# Altium PCB UltraZohm_ADC.PcbDoc (part 4 of 4)
Units mil, origin at the board's own origin, x right, y up, seen from the top; angles counter-clockwise.
Board outline 6141.69 x 3937.01 mil, 4 copper layers (Top Layer, GND, VCC, Bottom Layer), stack 30.634 mil thick; 408 components, 185 nets, 1136 pads, 511 vias.
Unrouted connection lines stored in the file: 7.
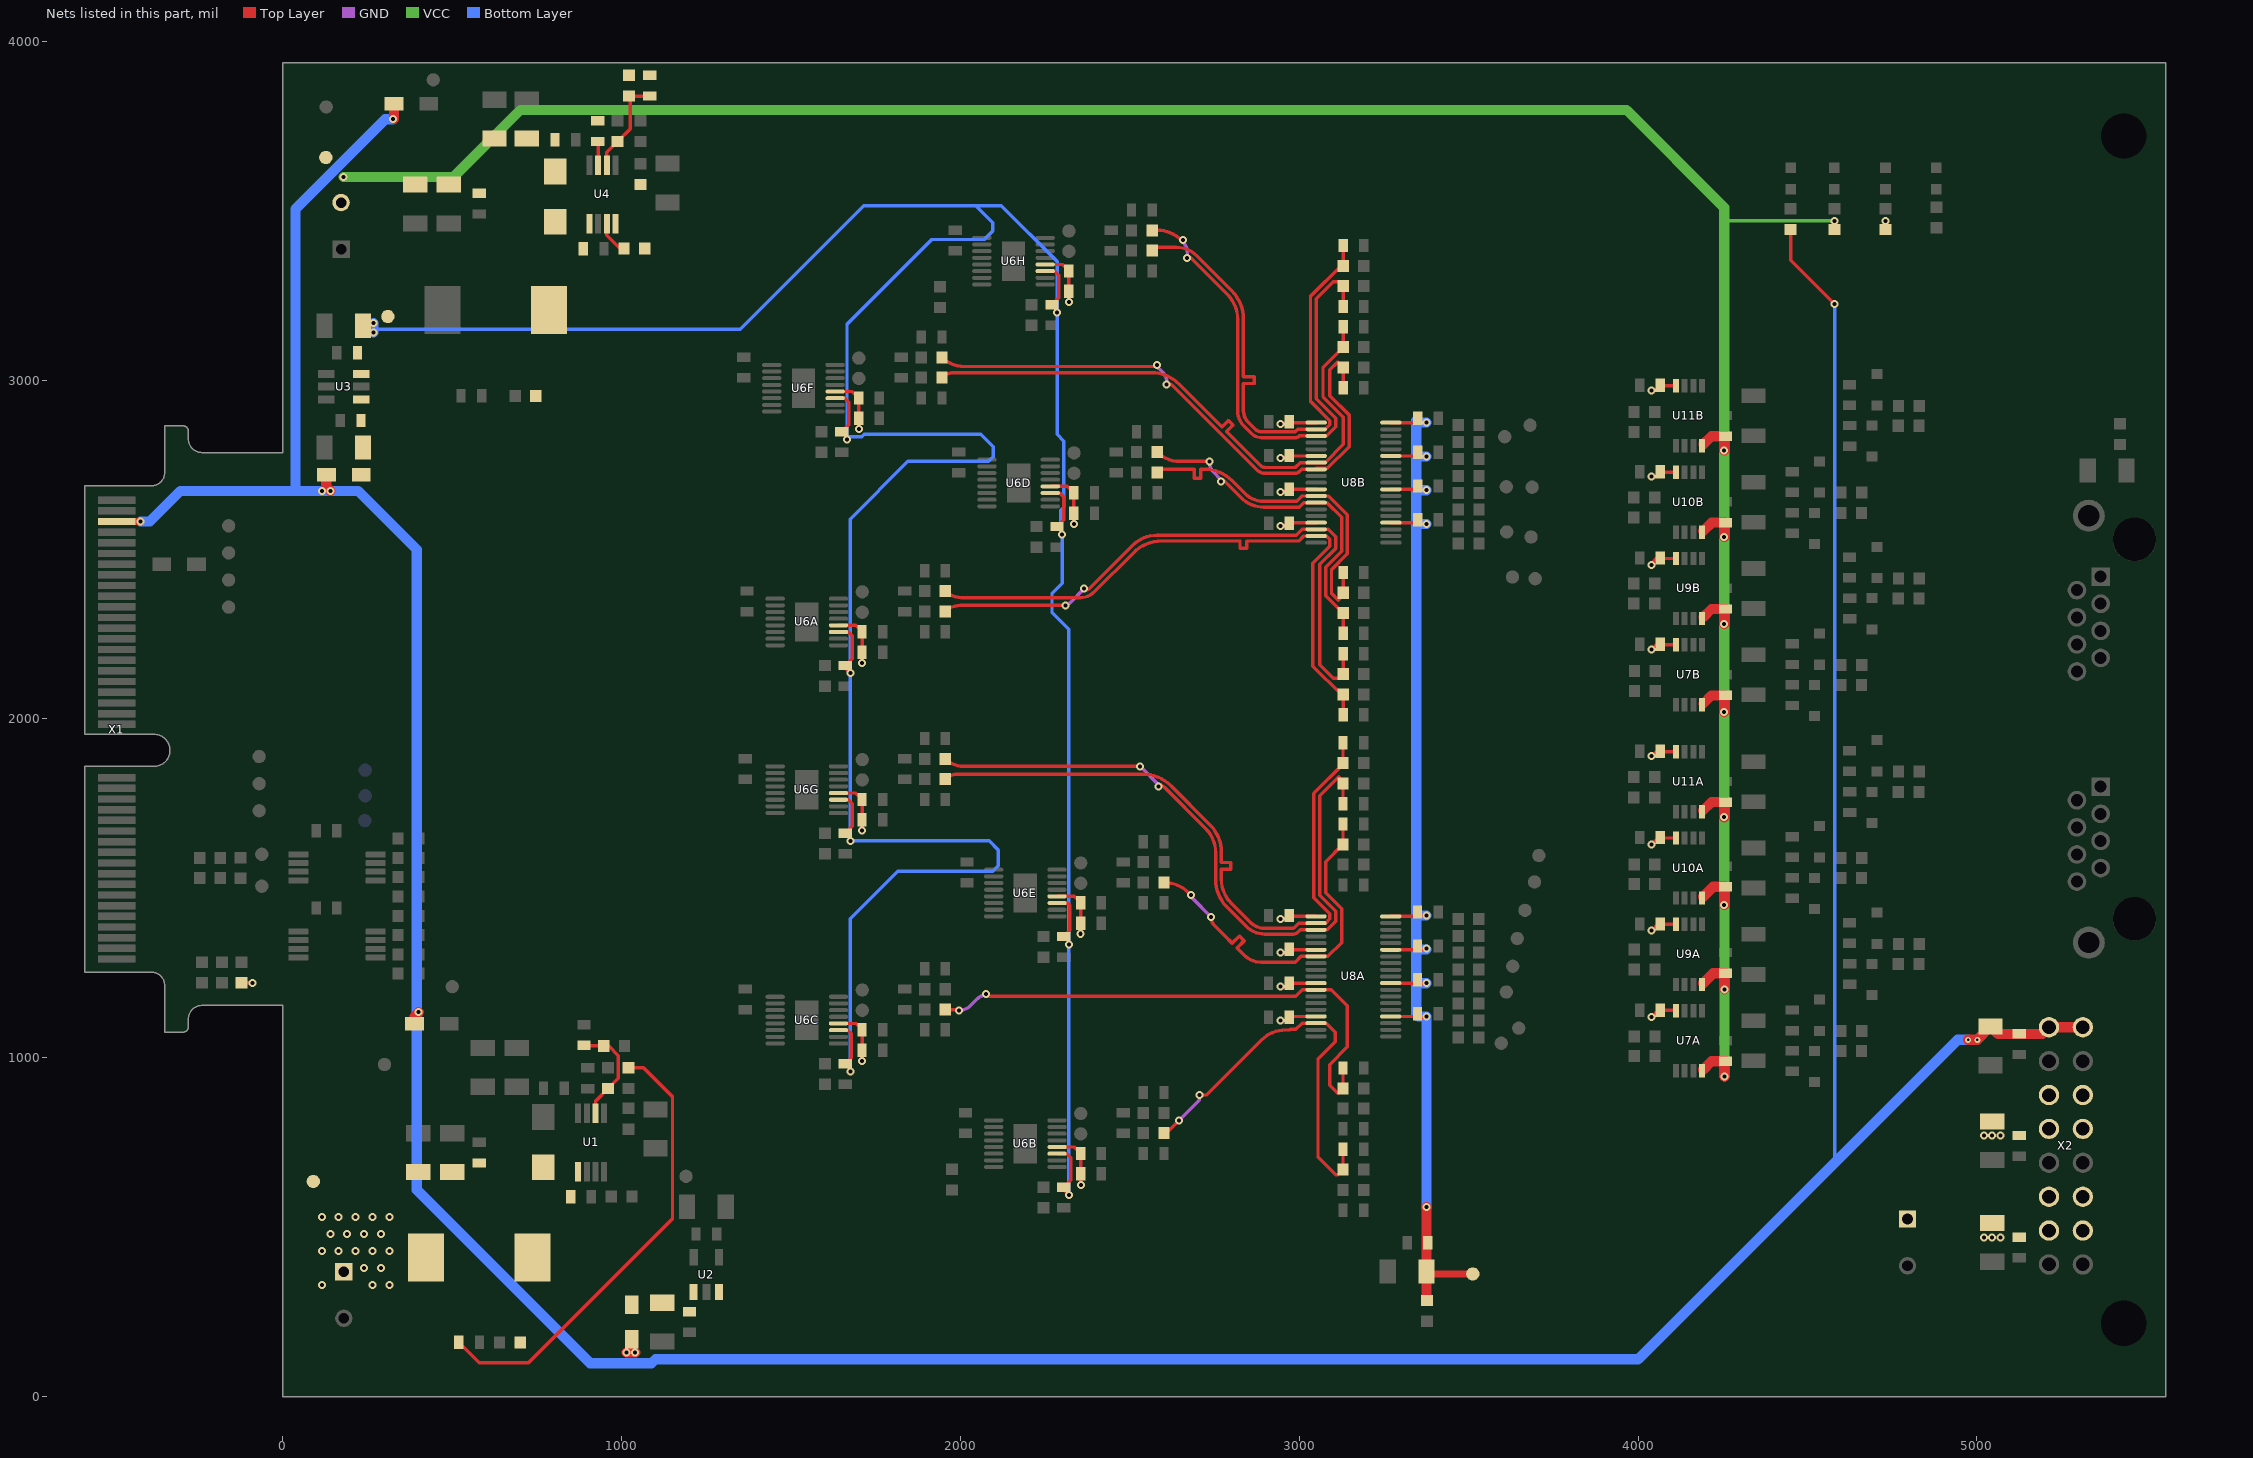
[diagram p6: the nets of this part, all layers, seen from the top]

## Via types
v1: diameter 23.62, hole 11.81, Top Layer to Bottom Layer, tented both sides, 333 vias
v2: diameter 17.72, hole 7.87, Top Layer to Bottom Layer, tented both sides, 127 vias
v3: diameter 19.68, hole 7.87, Top Layer to Bottom Layer, tented bottom, 48 vias
v4: diameter 23.62, hole 11.81, Top Layer to Bottom Layer, 3 vias

## Nets (pads, with @x,y where several pads share a name; then routed paths per layer and width w, separated by ;. In a path a pad name is that pad's centre, name@x,y a point inside that pad or via, vN(x,y) a via of type N, cw(c..) or ccw(c..) an arc to the next point about the centre after c; other vN are vias at no path point) (continued)
OUT_N4: C42A.2 R13G.1 R45A.2 U8A.22 | length 2025.7
  Top Layer w10: R13G.1@1955.51,1882.2 ccw(c2009.12,1935.81) 2009.12,1860 v1(2530,1860) ; v1(2585,1800) 2585,1805 cw(c2585,1780.86) 2602.07,1797.93 2723.71,1676.29 cw(c2653,1605.58) 2753,1605.58 2753,1526.42 ccw(c2870,1526.42) 2787.27,1443.69 2842.98,1387.98 ccw(c2898.41,1443.41) 2898.41,1365.02 2982.98,1365.02 ccw(c2982.98,1382.02) 2995,1370 3002.8,1377.8 U8A.22@3049.25,1377.8 3081.84,1377.8 3107,1402.96 3107,1432.04 3060,1479.04 3060,1772.96 3116.02,1828.98 3128.98,1816.02 R45A.2@3128.98,1810 C42A.2@3128.98,1750
  GND w10: v1(2530,1860) 2585,1805 v1(2585,1800)
OUT_N5: C34B.2 R13A.1 R17B.2 U8B.37 | length 1830.3
  Top Layer w10: R13A.1@1955.51,2377.2 ccw(c2001.88,2423.57) 2001.88,2358 2353.96,2358 ccw(c2353.96,2416.04) 2395,2375 2510.73,2490.73 cw(c2593.46,2408) 2593.46,2525 2800,2525 2824,2525 cw(c2824,2524) 2825,2524 2825,2505.18 ccw(c2826,2505.18) 2826,2504.18 2844,2504.18 ccw(c2844,2505.18) 2845,2505.18 2845,2524 cw(c2846,2524) 2846,2525 2855,2525 2998.35,2525 3013.27,2539.92 U8B.37@3049.76,2539.92 3080.08,2539.92 3090,2530 3090,2510 3040,2460 3040,2155.96 3123.56,2072.4 R17B.2@3129.49,2072.4 C34B.2@3129.49,2012.4
OUT_N6: C36B.2 R13D.1 R25B.2 U8B.32 | length 1020.6
  Top Layer w10: R13D.1@2580.51,2787.4 ccw(c2646.66,2853.55) 2646.66,2760 v1(2735,2760) ; v1@2770,2705 2775,2705 cw(c2775,2702.69) 2776.64,2704.32 2827.98,2652.98 ccw(c2895.53,2720.53) 2895.53,2625 2999.92,2625 3013.27,2638.35 U8B.32@3049.76,2638.35 3081.65,2638.35 3125,2595 3125,2495 3078,2448 3078,2363.89 R25B.2@3129.49,2312.4 C36B.2@3129.49,2252.4
  GND w10: v1(2735,2760) 2735,2755 ccw(c2771.21,2755) 2745.61,2729.39 v1@2770,2705
  other v1: 2769,2701
OUT_N7: C40B.2 R13F.1 R37B.2 U8B.27 | length 1752.8
  Top Layer w10: R13F.1@1945.51,3067.2 ccw(c2011.19,3132.88) 2011.19,3040 2575,3040 v1(2580,3045) ; v1@2610,2990 cw(c2610,2967.35) 2626.02,2983.36 2873.69,2735.7 ccw(c2899.46,2761.47) 2899.46,2725.02 2987.98,2725.02 ccw(c2987.98,2742.02) 3000,2730 3006.77,2736.77 U8B.27@3049.76,2736.77 3049.76,2739.46 3083.08,2739.46 3147,2803.37 3147,2897.04 3090,2954.04 3090,3030 3113.44,3053.44 R37B.2@3129.49,3037.4 C40B.2@3129.49,2977.4
  GND w10: v1(2580,3045) 2580,3040 2595.86,3024.14 cw(c2561.72,2990) v1@2610,2990
  other v1: 2608,2987
OUT_N8: C42B.2 R13H.1 R45B.2 U8B.22 | length 1584.2
  Top Layer w10: R13H.1@2565.51,3442.2 2581.37,3442.2 cw(c2581.37,3342.2) 2652.08,3412.92 v1@2655,3410 ; v1(2669,3361) 2679,3361 2788.71,3251.29 cw(c2718,3180.58) 2818,3180.58 2818,2910 ccw(c2883.28,2910) 2837.11,2863.84 2857.98,2842.98 ccw(c2889.26,2874.26) 2889.26,2830.02 2987.98,2830.02 ccw(c2987.98,2847.02) 3000,2835 3000.2,2835.2 U8B.22@3049.76,2835.2 3080.4,2835.2 3107,2861.8 3107,2887.34 3050,2944.34 3050,3240 3100,3290 3116.89,3290 R45B.2@3129.49,3277.4 C42B.2@3129.49,3217.4 ; v1@2670,3365 cw(c2670,3352.93) v1@2678.54,3361.46
  GND w10: v1@2655,3410 cw(c2618.79,3373.79) 2670,3373.79 v1@2670,3365
  other v1: 2656,3413
OUT_P1: C38A.2 R12B.1 R29A.2 U8A.36 | length 1206.1
  Top Layer w10: R12B.1@2600.51,777.56 ccw(c2600.51,794.57) 2612.54,782.54 v1(2645,815) ; v1(2705,890) 2725.96,890 2888.67,1052.71 cw(c2959.38,982) 2959.38,1082 2972.11,1082 2973.92,1083.81 2990.01,1083.81 3008.4,1102.2 U8A.36@3049.25,1102.2 3079.89,1102.2 3106.25,1075.84 3106.25,1047.21 3055,995.96 3055,708.02 3108.02,655 3113.98,655 R29A.2@3128.98,670 C38A.2@3128.98,730
  GND w10: v1(2645,815) 2705,875 v1(2705,890)
OUT_P2: C39A.2 R12C.1 R34A.2 U8A.31 | length 1600.1
  Top Layer w10: R12C.1@1955.51,1142.2 1989.68,1142.2 cw(c1989.68,1134.68) v1(1995,1140) ; v1@2075,1182.06 2989.83,1182.06 3008.4,1200.63 U8A.31@3049.25,1200.63 3094.37,1200.63 3142,1153 3142,1032 3090,980 3090,919.04 3114.01,895.03 R34A.2@3128.98,910 C39A.2@3128.98,970
  GND w10: v1(1995,1140) ccw(c1995,1190.7) 2030.85,1154.85 2051.1,1175.1 cw(c2075,1151.21) v1@2075,1185
  other v1: 2075,1188
OUT_P3: C44A.2 R12E.1 R49A.2 U8A.26 | length 1097.8
  Top Layer w10: R12E.1@2600.51,1517.2 2601.37,1517.2 cw(c2601.37,1417.2) 2672.08,1487.92 v1(2680,1480) ; v1(2740,1415) 2740,1413.14 ccw(c2771.72,1413.14) 2749.29,1390.71 2780,1360 2801.26,1338.74 ccw(c2801.97,1339.45) 2802.67,1338.74 2822.64,1358.71 cw(c2823.35,1358) 2824.06,1358.71 2836.79,1345.98 cw(c2836.08,1345.27) 2836.79,1344.57 2816.82,1324.6 ccw(c2817.52,1323.89) 2816.82,1323.18 2830.25,1309.75 2837.32,1302.68 ccw(c2887.19,1352.55) 2887.19,1282.02 2987.98,1282.02 3005.01,1299.06 U8A.26@3049.25,1299.06 3084.06,1299.06 3125,1340 3125,1440 3078,1487 3078,1579.02 R49A.2@3128.98,1630 C44A.2@3128.98,1690
  GND w10: v1(2680,1480) ccw(c2692.07,1480) 2683.54,1471.46 v1(2740,1415)
OUT_P4: C45A.2 R12G.1 R54A.2 U8A.21 | length 2048.6
  Top Layer w10: R12G.1@1955.51,1822.2 cw(c1991.23,1786.49) 1991.23,1837 2538.58,1837 cw(c2538.58,1720) 2621.31,1802.73 2735.73,1688.31 cw(c2653,1605.58) 2770,1605.58 2770,1585 2770,1577.42 ccw(c2771,1577.42) 2771,1576.42 2796.35,1576.42 cw(c2796.35,1575.42) 2797.35,1575.42 2797.35,1557.42 cw(c2796.35,1557.42) 2796.35,1556.42 2771,1556.42 ccw(c2771,1555.42) 2770,1555.42 2770,1536.42 2770,1526.42 ccw(c2870,1526.42) 2799.29,1455.71 2855,1400 ccw(c2898.41,1443.41) 2898.41,1382.02 2982.98,1382.02 2998.44,1397.48 U8A.21@3049.25,1397.48 3077.48,1397.48 3090,1410 3090,1425 3043,1472 3043,1780 3128.98,1865.98 R54A.2@3128.98,1870 C45A.2@3128.98,1930
OUT_P5: C38B.2 R12A.1 R29B.2 U8B.36 | length 1807.5
  Top Layer w10: R12A.1@1955.51,2317.2 cw(c1998.47,2274.24) 1998.47,2335 v1(2310,2335) ; v1(2365,2385) 2365,2381.03 2366.03,2380 ccw(c2366.03,2403.97) 2382.98,2387.02 2508.67,2512.71 cw(c2579.38,2442) 2579.38,2542 2991.3,2542 3008.91,2559.61 U8B.36@3049.76,2559.61 3085.39,2559.61 3107,2538 3107,2502.96 3060,2455.96 3060,2160 3100,2120 3117.09,2120 R29B.2@3129.49,2132.4 C38B.2@3129.49,2192.4
  GND w10: v1(2310,2335) 2315,2340 ccw(c2315,2352.07) 2323.54,2343.54 v1(2365,2385)
OUT_P6: C39B.2 R12D.1 R34B.2 U8B.31 | length 1043.4
  Top Layer w10: R12D.1@2580.51,2727.4 cw(c2603.68,2704.23) 2603.68,2737 2635,2737 2688.54,2737 cw(c2688.54,2736) 2689.54,2736 2689.54,2711.5 ccw(c2690.54,2711.5) 2690.54,2710.5 2708.54,2710.5 ccw(c2708.54,2711.5) 2709.54,2711.5 2709.54,2736 cw(c2710.54,2736) 2710.54,2737 2719.54,2737 cw(c2719.54,2620) 2802.27,2702.73 2840,2665 ccw(c2895.53,2720.53) 2895.53,2642 2992.88,2642 3008.91,2658.03 U8B.31@3049.76,2658.03 3086.01,2658.03 3142,2602.04 3142,2487.96 3095,2440.96 3095,2370.93 3115.47,2350.47 3129.49,2364.49 R34B.2@3129.49,2372.4 C39B.2@3129.49,2432.4
OUT_P7: C44B.2 R12F.1 R49B.2 U8B.26 | length 1775.6
  Top Layer w10: R12F.1@1945.51,3007.2 cw(c1981.23,2971.49) 1981.23,3022 2562.96,3022 cw(c2562.96,2905) 2645.69,2987.73 2696.71,2936.71 2770.65,2862.78 ccw(c2771.36,2863.48) 2772.06,2862.78 2789.73,2880.44 cw(c2790.43,2879.73) 2791.14,2880.44 2803.87,2867.71 cw(c2803.16,2867) 2803.87,2866.29 2786.21,2848.63 ccw(c2786.91,2847.93) 2786.21,2847.22 2799.64,2833.78 2806.71,2826.71 2885.71,2747.72 ccw(c2899.46,2761.47) 2899.46,2742.02 2987.98,2742.02 3002.42,2756.46 U8B.26@3049.76,2756.46 3076.04,2756.46 3130,2810.41 3130,2890 3070,2950 3070,3037.91 R49B.2@3129.49,3097.4 C44B.2@3129.49,3157.4
OUT_P8: C45B.2 R12H.1 R54B.2 U8B.21 | length 1607
  Top Layer w10: R12H.1@2565.51,3382.2 cw(c2589.16,3358.56) 2589.16,3392 2636.72,3392 cw(c2636.72,3306.72) 2697.02,3367.02 2800.73,3263.31 cw(c2718,3180.58) 2835,3180.58 2835,3075 2835,3011 ccw(c2836,3011) 2836,3010 2866.24,3010 cw(c2866.24,3009) 2867.24,3009 2867.24,2991 cw(c2866.24,2991) 2866.24,2990 2836,2990 ccw(c2836,2989) 2835,2989 2835,2970 2835,2960 2835,2910 ccw(c2883.28,2910) 2849.14,2875.86 2870,2855 ccw(c2889.26,2874.26) 2889.26,2847.02 2987.98,2847.02 2995.84,2854.88 U8B.21@3049.76,2854.88 3076.04,2854.88 3089.76,2868.6 3089.76,2869.76 3090,2870 3090,2880.29 3033,2937.29 3033,3247.04 3123.36,3337.4 R54B.2@3129.49,3337.4 C45B.2@3129.49,3397.4
RCL_N: R47.2 U4.3 | length 100.8
  Top Layer w10: U4.3@956,3461.17 956,3427.49 995.7,3387.78 R47.2@1006.69,3387.78
Ron_N: C73.1 R38.1 R44.2 U4.6 | length 294.6
  Top Layer w10: U4.6@956,3634.4 956,3672.07 R38.1@988.2,3704.27 1025,3741.07 1025,3835.47 R44.2@1022.2,3838.27 C73.1@1083.2,3838.27
Ron_P: C24.1 R7.2 R36.2 U1.6 | length 311
  Top Layer w10: C24.1@889,1036.49 890.49,1035 R36.2@947.49,1035 961.26,1035 990,1006.26 990,939.49 R7.2@960,909.49 922.8,872.28 U1.6@922.8,836.61
SW_N: C58.1 D5.1 L6.1 R39.2 U4.1
SW_P: C1.2 D1.1 L2.1 R8.1 U1.1
VCC: C2.1 C7.2 C8.2 C9.2 C19.1 C20.1 C21.2 C22.2 C27A.1 C27B.1 C27C.1 C27D.1 C27E.1 C27F.1 C27G.1 C27H.1 C28A.1 C28B.1 C28C.1 C28D.1 C28E.1 C28F.1 C28G.1 C28H.1 C35.2 C37.2 C50A.1 C50B.1 C51A.1 C51B.1 C52A.1 C52B.1 C53A.1 C53B.1 C54A.1 C54B.1 C55A.1 C55B.1 C56A.1 C56B.1 C57A.1 C57B.1 L2.2 L3.1 R4.1 R9.2 R56.2 TP15.1 U6A.4 U6B.4 U6C.4 U6D.4 U6E.4 U6F.4 U6G.4 U6H.4 U7A.8 U7B.8 U8A.20 U8A.25 U8A.30 U8A.35 U8B.20 U8B.25 U8B.30 U8B.35 U9A.8 U9B.8 U10A.8 U10B.8 U11A.8 U11B.8 X2.3 X2.4 X2.6 X2.7 X2.11 X2.12 X2.14 X2.15 | length 4357.4
  Top Layer w10: R4.1@-121.49,1221.06 -91.06,1221.06 v1(-90,1220) ; C2.1@519.49,160 579.49,100 725,100 1150,525 1150,885 1064.49,970.51 R9.2@1020,970.51 ; U6F.4@1630,2966.26 1680.43,2966.26 C27F.1@1699.49,2947.2 C28F.1@1699.49,2887.2 1699.49,2855.51 v1(1700,2855) ; U6C.4@1640,1101.26 1690.43,1101.26 C27C.1@1709.49,1082.2 C28C.1@1709.49,1022.2 1709.49,990.51 v1(1710,990) ; U6G.4@1640,1781.26 1690.43,1781.26 C27G.1@1709.49,1762.2 C28G.1@1709.49,1702.2 1709.49,1670.51 v1(1710,1670) ; U6A.4@1640,2276.26 1690.43,2276.26 C27A.1@1709.49,2257.2 C28A.1@1709.49,2197.2 1709.49,2165.51 v1(1710,2165) ; U6H.4@2250,3341.26 2300.43,3341.26 C27H.1@2319.49,3322.2 C28H.1@2319.49,3262.2 2319.49,3230.51 v1(2320,3230) ; U6D.4@2265,2686.46 2315.43,2686.46 C27D.1@2334.49,2667.4 C28D.1@2334.49,2607.4 2334.49,2575.51 v1(2335,2575) ; U6B.4@2285,736.61 2335.43,736.61 C27B.1@2354.49,717.56 C28B.1@2354.49,657.56 2354.49,625.51 v1(2355,625) ; U6E.4@2285,1476.26 2335.43,1476.26 C27E.1@2354.49,1457.2 C28E.1@2354.49,1397.2 2354.49,1366.49 v1(2354,1366) ; v1@2940,2670 v1(2945,2670) 2956.89,2670 2960,2666.89 C52B.1@2970.51,2677.4 2970.83,2677.72 U8B.30@3049.76,2677.72 ; v1(2945,1110) 2960,1110 C53A.1@2970,1120 2971.89,1121.89 U8A.35@3049.25,1121.89 ; v1(2945,1210) 2960,1210 C52A.1@2970,1220 2970.31,1220.31 U8A.30@3049.25,1220.31 ; v1(2945,1310) 2960,1310 C51A.1@2970,1320 2971.26,1318.74 U8A.25@3049.25,1318.74 ; v1(2945,1410) 2960,1410 C50A.1@2970,1420 2972.83,1417.17 U8A.20@3049.25,1417.17 ; v1(2945,2570) 2963.11,2570 C53B.1@2970.51,2577.4 2972.4,2579.29 U8B.35@3049.76,2579.29 ; v1(2945,2770) 2963.11,2770 C51B.1@2970.51,2777.4 2971.77,2776.14 U8B.25@3049.76,2776.14 ; v1(2945,2870) 2963.11,2870 C50B.1@2970.51,2877.4 2973.35,2874.57 U8B.20@3049.76,2874.57 ; v1(4040,1120) 4060,1140 C54A.1@4065.51,1140 4110.2,1140 U7A.8@4111.61,1138.58 ; v1(4040,1375) 4060,1395 C55A.1@4065.51,1395 4066.93,1393.58 U9A.8@4111.61,1393.58 ; v1(4040,1630) 4060,1650 C56A.1@4065.51,1650 4066.93,1648.58 U10A.8@4111.61,1648.58 ; v1(4040,1890) 4055,1905 C57A.1@4065.51,1905 4066.93,1903.58 U11A.8@4111.61,1903.58 ; v1(4040,2205) 4055,2220 C54B.1@4065.51,2220 4066.93,2218.58 U7B.8@4111.61,2218.58 ; v1(4040,2455) 4040,2460 4055,2475 C55B.1@4065.51,2475 4066.93,2473.58 U9B.8@4111.61,2473.58 ; v1(4040,2715) 4050.51,2715 C56B.1@4065.51,2730 4067.44,2728.07 U10B.8@4111.61,2728.07 ; v1(4040,2970) 4050.51,2970 C57B.1@4065.51,2985 4066.93,2983.58 U11B.8@4111.61,2983.58 ; R56.2@4730,3444.49 v1(4730,3470) ; v1@5065,470 v1(5070,470)
  Top Layer w30: v1(1015,130) v1@1030,130 ; L3.1@1030,168.82 v1@1030,130 ; v1(1040,130) v1@1030,130
  other v1: 115,330 265,330 315,330 240,380 290,380 115,430 165,430 215,430 265,430 315,430 5020,470 5045,470 140,480 190,480 240,480 290,480 115,530 165,530 215,530 265,530 315,530 5020,770 5045,770 5070,770
VCC-: C60A.2 C60B.2 C61A.2 C61B.2 C62A.2 C62B.2 C63A.2 C63B.2 C65.1 C66.1 C67.2 C68.1 C69.1 C70.1 C71.2 C73.2 C74.2 D5.2 R44.1 R46.2 R47.1 R73.1 TP23.1 U4.4 U7A.4 U7B.4 U9A.4 U9B.4 U10A.4 U10B.4 U11A.4 U11B.4 | length 8186
  Top Layer w10: R73.1@4579,3444.49 v1(4579,3470)
  Top Layer w30: U11A.4@4191.6,1729.64 4216.46,1754.49 C63A.2@4258,1754.49 4254,1750.49 v1(4254,1710) ; U7A.4@4191.79,964.82 4216.46,989.49 C60A.2@4258,989.49 4255,986.49 v1(4255,945) ; U9A.4@4191.98,1220.02 4221.46,1249.49 C61A.2@4258,1249.49 4255,1246.49 v1(4255,1201) ; U10A.4@4191.98,1475.02 4221.46,1504.49 C62A.2@4258,1504.49 4254,1500.49 v1(4254,1451) ; U10B.4@4192.24,2554.76 4216.97,2579.49 C62B.2@4258,2579.49 4254,2575.49 v1(4254,2537) ; U9B.4@4192.48,2300.52 4216.46,2324.49 C61B.2@4258,2324.49 4254,2320.49 v1(4254,2280) ; U11B.4@4192.48,2810.52 4216.46,2834.49 C63B.2@4258,2834.49 4254,2830.49 v1(4254,2792) ; U7B.4@4192.73,2045.76 4216.46,2069.49 C60B.2@4258,2069.49 4254,2065.49 v1(4254,2021)
  VCC w10: 4254,3471 4255,3470 v1(4579,3470)
  VCC w30: v1(179,3599) 503,3599 701.11,3797.11 3965.89,3797.11 4254,3509 4254,3471 v1(4254,2792) v1(4254,2537) v1(4254,2280) 4254,2236 4255,2235 4254,2234 v1(4254,2021) v1(4254,1710) v1(4254,1451) 4255,1451 v1(4255,1201) v1(4255,945)
VCC_2.5V: C11.2 C12.1 L3.2 U2.1 U2.3
VCC_N: C74.1 U4.7 | length 70.4
  Top Layer w10: C74.1@929.2,3704.32 930.4,3703.11 U4.7@930.4,3634.4
VCOM: C25.1 C26.2 C46A.1 C46B.1 C47A.1 C47B.1 C48A.1 C48B.1 C49A.1 C49B.1 R33.1 TP19.1 U8A.4 U8A.9 U8A.14 U8A.19 U8B.4 U8B.9 U8B.14 U8B.19 | length 3898.1
  Top Layer w10: U8A.4@3269.72,1121.89 3340.87,1121.89 C49A.1@3348.98,1130 3350,1130 3357.5,1122.5 3355,1120 v1@3375,1120 ; U8A.9@3269.72,1220.31 3339.29,1220.31 C48A.1@3348.98,1230 3358.98,1220 v1(3375,1220) ; U8A.14@3269.72,1318.74 3337.72,1318.74 C47A.1@3348.98,1330 3358.98,1320 v1@3375,1320 ; U8A.19@3269.72,1417.17 3336.14,1417.17 C46A.1@3348.98,1430 3358.98,1420 v1(3375,1420) ; U8B.4@3270.24,2579.29 3341.38,2579.29 C49B.1@3349.49,2587.4 3361.89,2575 v1(3375,2575) ; U8B.9@3270.24,2677.72 3339.8,2677.72 C48B.1@3349.49,2687.4 3361.89,2675 v1(3375,2675) ; U8B.14@3270.24,2776.14 3338.23,2776.14 C47B.1@3349.49,2787.4 3361.89,2775 v1(3375,2775) ; U8B.19@3270.24,2874.57 3336.65,2874.57 C46B.1@3349.49,2887.4 3361.89,2875 v1(3375,2875)
  Top Layer w20: C26.2@3382,362 TP19.1@3512,362
  Top Layer w30: v4(3375,559) C26.2@3375,369 ; R33.1@3377,282.51 3374,285.51 3375,286.51 C26.2@3375,369 ; C26.2@3382,362 C26.2@3375,369
  Bottom Layer w30: v4(3375,559) v1(3375,1122) 3352,1122 3345,1129 3345,1225 ; v1(3375,1220) 3350,1220 3345,1225 ; v1@3375,1320 3345,1320 ; v1(3375,1420) 3345,1420 ; v1(3375,2575) 3345,2575 ; v1(3375,2675) 3345,2675 ; v1(3375,2775) 3350,2775 3345,2780 ; v1(3375,2875) 3350,2875 3345,2880 3345,2780 ; 3345,1225 3345,1320 ; 3345,1320 3345,1420 ; 3345,1420 3345,2575 ; 3345,2575 3345,2675 ; 3345,2675 3345,2780
  other v1: 3375,1322
VIN: C41.2 C43.2 L1.1 L4.1 L5.1 R55.2 X1.5 X1.6 X2.1 X2.9 | length 12671
  Top Layer w10: R55.2@4450,3444.49 4450,3354 v1(4580,3224)
  Top Layer w20: X1.5@-490,2582.68 v1(-420,2582.68)
  Top Layer w30: L4.1@128.29,2720.78 128.29,2684.71 v1(140,2673) ; v1@328.02,3771 L5.1@328.02,3815.78 ; 388.82,1121.18 400,1132.36 v1(400,1135) ; v2(4974,1053.09) v2(5001,1053.09) C43.2@5040,1092.09 5061.57,1070.51 C41.2@5125,1070.51 5193.07,1070.51 X2.9@5212.56,1090 X2.1@5312.56,1090
  Bottom Layer w10: 4580,690 4580,1890.12 v1(4580,3224)
  Bottom Layer w20: X1.6@-490,2582.68 v1(-420,2582.68)
  Bottom Layer w30: v1(-420,2582.68) -392.32,2582.68 -302,2673 222,2673 395,2500 v1@395,1135 ; 37,2673 37,3504.55 302.45,3770 v1(325,3770) ; v1(400,1135) v1@395,1135 ; v2(4974,1053.09) 4943,1053.09 3999.91,110 1100,110 1088.19,98.19 906.81,98.19 395,610 v1@395,1135
  other v1: 115,2673
VIN_VREF: C15.2 C16.1 L4.2 U3.4
VREF: C17.1 C18.2 C30A.1 C30B.1 C30C.1 C30D.1 C30E.1 C30F.1 C30G.1 C30H.1 TP17.1 U3.6 U6A.3 U6B.3 U6C.3 U6D.3 U6E.3 U6F.3 U6G.3 U6H.3 | length 10786.7
  Top Layer w10: U6F.3@1630,2946.57 1658.43,2946.57 1670,2935 1670,2867.72 C30F.1@1650,2847.72 1665,2832.72 v1(1665,2825) ; U6C.3@1640,1081.57 1667.78,1081.57 1677.61,1071.74 1677.61,1000.33 C30C.1@1660,982.72 1675,967.72 v1(1675,960) ; U6G.3@1640,1761.57 1668.43,1761.57 1680,1750 1680,1682.72 C30G.1@1660,1662.72 1675,1647.72 v1(1675,1640) ; U6A.3@1640,2256.57 1668.43,2256.57 1680,2245 1680,2177.72 C30A.1@1660,2157.72 1660,2150 v1(1675,2135) ; U6H.3@2250,3321.57 2278.43,3321.57 2290,3310 2290,3242.72 C30H.1@2270,3222.72 2290,3202.72 2290,3200 v1(2285,3200) ; U6D.3@2265,2666.77 2293.23,2666.77 2305,2655 2305,2587.91 C30D.1@2285,2567.91 2300,2552.91 v1(2300,2545) ; U6B.3@2285,716.93 2313.07,716.93 2325,705 2325,638.07 C30B.1@2305,618.07 2305,610 v1(2320,595) ; U6E.3@2285,1456.57 2317.23,1456.57 2322.86,1450.94 2322.86,1375.58 C30E.1@2305,1357.72 2320,1342.72 v1(2320,1335)
  Bottom Layer w10: v1(268,3141) 277,3150 1350,3150 1715,3515 2045,3515 ; v1(1675,960) 1675,1410 1815,1550 2095,1550 2111.81,1566.81 2111.81,1613.19 2085,1640 v1(1675,1640) v1(1675,2135) 1675,2590 1845,2760 2082.66,2760 2096.81,2774.15 2096.81,2803.19 2060,2840 1715.85,2840 1709.03,2833.19 1673.19,2833.19 v1(1665,2825) 1665,3165 1915,3415 2070,3415 2095,3440 2095,3465 2045,3515 ; v1(2320,595) v1(2320,1335) 2320,2265 2270,2315 2270,2370 2300,2400 v1(2300,2545) 2295,2550 2295,2615 2305,2625 2305,2820 2285,2840 v1(2285,3200) 2285,3350 2120,3515 2045,3515
  Bottom Layer w30: v1(268,3141) v1(268,3169)
pads on no net: J1.MH1 J1.MH2 MH1.1 MH2.1 U3.3 U3.5 U8A.1 U8A.6 U8A.11 U8A.16 U8B.1 U8B.6 U8B.11 U8B.16 X1.9 X1.10 X1.59 X1.60 X1.61 X1.62 X1.65 X1.66 X1.67 X1.68 X1.71 X1.72 X1.73 X1.74 X1.77

## Polygon pours and split planes (outlines as drawn)
VCC- on Top Layer "VCC-_L01_P108" (solid, pour order 108): 1208,3945.65 1208,3355 865,3012 -5,3012 -5,3940.4
VCC_2.5V on Top Layer "VCC_2.5V_L01_P064" (solid, pour order 64): 1000,310 1170,310 1195,335 1305,335 1305,280 1260,235 1000,235
SW_P on Top Layer "SW_P_L01_P058" (solid, pour order 58): 885,695 830,695 805,720 730,720 730,535 680,485 680,135 725,135 725,270 885,430
GND on Top Layer "GND_L01_P090" (solid, pour order 90): -5.02,1154.37 926.63,1154.37 1380,701 1380,-5 0,-5
GND on Top Layer "GND_L01_P106" (solid, pour order 106): 568.73,2988.99 717.83,2988.99 717.07,3522.68 334.75,3522.68 265,3453.22 -5,3453.22 -5,2762 201,2762 201,2903.78 568.73,2903.78
SW_N on Top Layer "SW_N_L01_P096" (solid, pour order 96): 784.98,3047.98 917,3180 917,3277.98 917,3522.68 722.14,3522.68 722,2926.89 785.02,2926.89
24V_N on Top Layer "24V_N_L01_P102" (solid, pour order 102): 824.2,3725.58 824.2,3677.18 842.62,3658.97 842.62,3578.14 919.21,3578.14 919.13,3672.86 904.76,3687.24 904.76,3722.75 1014.37,3722.65 1014.37,3803.01 953.93,3803.54 953.93,3744 901.8,3744 757.67,3888.13 598.95,3888.13 598.86,3937.01 383.42,3937.01 383.42,3744 805.78,3744
GND on Top Layer "Top Layer-GND" (solid, pour order 94): 3223,328 3340.87,328 3340.87,479.13 3336,484 3329,477 3223,477
GND on Top Layer "GND_L01_P088" (solid, pour order 88): 5000,750 5000,350 5355,350 5355,750
VCC on Top Layer "VCC_L01_P056" (solid, pour order 56): 605,710 0,710 0,-5 535,-5 535,490 605,560
VCC on Top Layer "VCC_L01_P080" (solid, pour order 80): 5000,850 5085,935 5360,935 5360,750 5000,750
VCC on Top Layer "VCC_L01_P078" (solid, pour order 78): 5000,560 5070,630 5355,630 5355,455 5000,455
VREF on Top Layer "VREF_L01_P068" (solid, pour order 68): 206,3225.5 341,3225.5 341,3165.5 271,3095.5 271,3020.5 206,3020.5
VIN_VREF on Top Layer "VIN_VREF_L01_P066" (solid, pour order 66): 200,2980 200,2710 270,2710 270,2975 265,2980
+2.5V on Top Layer "+2.5V_L01_P062" (solid, pour order 62): 1160,690 1240,690 1240,380 1160,380
NetC3_2 on Top Layer "NETC3_2_L01_P060" (solid, pour order 60): 445,1237 445,1005 725,1005 815,915 815,850 860,805 885,805 885,880 875,890 875,991 629,1237
no net on Top Layer "NONET_L01_P014" (solid, pour order 14): 4880,545
GND on Top Layer "GND_L01_P008" (solid, pour order 8): 4700,545
GND on GND "GND_L02_P002" (solid, pour order 2): 5562.49,1145 4955,1145 4955,890 5095,750 5095,-5.02 0,-5.02 cw(c0,0) -5.01,0 -5.02,1149.36 -239.33,1149.36 ccw(c-239.33,1115) -273.69,1115 -273.69,1091.38 cw(c-294.45,1091.38) -294.45,1070.61 -348.77,1070.61 cw(c-348.77,1075.63) -353.79,1075.63 -353.79,1213.43 ccw(c-388.14,1213.43) -388.14,1247.78 -585,1247.78 cw(c-585,1252.8) -590.02,1252.8 -590.02,1860.08 cw(c-585,1860.08) -585,1865.09 -380.28,1865.09 ccw(c-380.28,1907.32) -338.05,1907.32 ccw(c-380.28,1907.32) -380.28,1949.55 -585,1949.55 cw(c-585,1954.57) -590.02,1954.57 -590.02,2687.83 cw(c-585,2687.83) -585,2692.85 -388.14,2692.85 ccw(c-388.14,2727.2) -353.79,2727.2 -353.79,2865 cw(c-348.77,2865) -348.77,2870.01 -294.45,2870.01 cw(c-294.45,2849.25) -273.69,2849.25 -273.69,2825.63 ccw(c-239.33,2825.63) -239.33,2791.27 -5.76,2791.27 -5.76,3940.63 cw(c-0.75,3940.63) -0.75,3945.65 5556.73,3945.65 cw(c5556.73,3940.63) 5560.29,3944.16 5561.01,3943.44 cw(c5557.48,3939.88) 5562.49,3939.88
VCC on VCC "VCC_L03_P006" (solid, pour order 6): 5562.49,1155 5165,1155 5165,-5.02 0,-5.02 cw(c0,0) -5.01,0 -5.02,1149.36 -239.33,1149.36 ccw(c-239.33,1115) -273.69,1115 -273.69,1091.38 cw(c-294.45,1091.38) -294.45,1070.61 -348.77,1070.61 cw(c-348.77,1075.63) -353.79,1075.63 -353.79,1213.43 ccw(c-388.14,1213.43) -388.14,1247.78 -585,1247.78 cw(c-585,1252.8) -590.02,1252.8 -590.02,1860.08 cw(c-585,1860.08) -585,1865.09 -380.28,1865.09 ccw(c-380.28,1907.32) -338.05,1907.32 ccw(c-380.27,1907.32) -380.28,1949.55 -585,1949.55 cw(c-585,1954.57) -590.02,1954.57 -590.02,2687.83 cw(c-585,2687.83) -585,2692.85 -388.14,2692.85 ccw(c-388.14,2727.2) -353.79,2727.2 -353.79,2865 cw(c-348.77,2865) -348.77,2870.01 -294.45,2870.01 cw(c-294.45,2849.25) -273.69,2849.25 -273.69,2825.63 ccw(c-239.33,2825.63) -239.33,2791.27 -5.76,2791.27 -5.76,3940.63 cw(c-0.75,3940.63) -0.75,3945.65 5556.73,3945.65 cw(c5556.73,3940.64) 5560.29,3944.16 5561.01,3943.44 cw(c5557.49,3939.88) 5562.49,3939.88

## Other copper
GND:
  pour cut-out: 3000,2905 3000,2485 3320,2485 3320,2905
  pour cut-out: 3000,1450 3000,1030 3320,1030 3320,1450
VCC:
  pour cut-out: 20.39,3916.62 20.39,2780.01 18.84,2778.46 18.84,2776.26 14.42,2771.84 592.61,2771.84 598,2766.45 1199,3367.45 1199,3917
  pour cut-out: 303,1650
  pour cut-out: 8,1637 7.9,1636.9 7.9,1486.58 313.29,1486.58 314.48,1485.39 314.48,1638
  pour cut-out: 8,1409 7.8,1408.8 7.8,1258 313.96,1258 315,1259.04 315,1407.96
  pour cut-out: 3000,2905 3000,2485 3320,2485 3320,2905
  pour cut-out: 3000,1450 3000,1030 3320,1030 3320,1450

## Silkscreen, mask and mechanical layers (free items; w line width, h text height)
Top Overlay:
  lines w10: 1315,1520 1915,1520 1915,1715 2795,1715 ; 1315,2000 2795,2000 2795,2135 2795,2540 ; 1315,2490 2005,2490 2005,2375 2795,2375 ; 1315,2700 1945,2700 1945,2850 2295,2850 2295,2930 2795,2930 2795,3555 2795,3660 ; 1315,3160 2020,3160 2020,3090 2795,3090 ; 2705,1216 2000,1216 2000,1305 1315,1305 ; 2795,315 2795,946 ; 2795,1080 2795,946 ; 2795,1455 2795,1970 2800,1970 4795,1970 4975,1970 ; 4395,3660 4395,3260 4545,3260 ; 4675,3260 4675,3660 ; 4825,3260 4825,3660 ; 1315,811 1315,715 1715,315 4234,315 4975,1056 4975,1480.9 4975,2706.1 4975,3260 ; 1315,811 1315,1305 ; 1315,811 1881,811 1881,946 2795,946 ; 1315,1305 1315,3590 1315,3660 4545,3660 ; 4545,3260 4545,3660 ; 4545,3260 4975,3260 ; 4545,3660 4550,3660 4975,3660 4975,3260
  text "VIN" at 4480,3655 h60 r270
  text "-5V" at 4610,3655 h60 r270
  text "+5V" at 4760,3655 h60 r270
  text "2.5V" at 4910,3655 h60 r270
  text "Channel 8" at 1315,3160 h60
  text "Channel 7" at 2395,2990 h60
  text "Channel 6" at 1315,2600 h60
  text "Channel 5" at 2395,2275 h60
  text "B" at 2790,1970 h60
  text "A" at 2790,1891 h60
  text "Channel 4" at 2395,1715 h60
  text "Channel 3" at 1315,1420 h60
  text "Channel 2" at 2395,950 h60
  text "Channel 1" at 1315,710 h60
Bottom Overlay:
  lines w10: 1661,3189 4350,3189 ; 1661,3291 4352,3291 ; 1661,3392 4352,3392 ; 1661,3788 1661,2883 4352,2883 ; 1662,2983 4353,2983 ; 1662,3086 4353,3086 ; 1662,3494 4353,3494 ; 1663,3596 4354,3596 ; 1971,2883 1971,3788 ; 2261,2883 2261,3788 ; 2561,2883 2561,3788 ; 2856,2883 2856,3788 ; 3159,3697 4356,3697 ; 3160,2885 3160,3790 ; 3460,2885 3460,3790 ; 3762,2885 3762,3790 ; 4061,2887 4061,3792 ; 5347,345.21 5535.31,346 ; 5347,946 5535.31,946 ; 5347,1136.79 5535.31,1136 ; 5348.69,644.21 5537,645
  text "ADC Temp" at 1960,3697 h60
  text "f cutoff" at 2260,3697 h60
  text "Gain" at 2559,3697 h60
  text "C" at 2860,3697 h60
  text "R2" at 3159,3697 h60
  text "R1" at 3459,3697 h60
  text "Rsense" at 3760,3697 h60
  text "Buffer" at 4061,3697 h60
  text "Channel 1" at 4361,3597 h60
  text "Gain = R2 / R1 / f_cuttoff = 1 / ( 2 * pi * R2 * C )" at 1542,3539.59 h70
  text "Channel 2" at 4361,3494.86 h60
  text "Channel 3" at 4361,3392.71 h60
  text "Channel 4" at 4361,3292 h60
  text "Channel 5" at 4361,3190 h60
  text "Channel 6" at 4361,3087 h60
  text "Channel 7" at 4361,2984.14 h60
  text "Channel 8" at 4361,2882 h60
  text "VIN" at 5542,1046 h60
  text "GND" at 5542,956 h60
  text "VCC" at 5542,848.86 h60
  text "VCC" at 5542,750.29 h60
  text "GND" at 5542,651.71 h60
  text "VCC" at 5542,553.14 h60
  text "VCC" at 5542,454.57 h60
  text "GND" at 5542,356 h60
Mechanical 1:
  lines w10: -0.75,2786.26 -239.33,2786.26 cw(c-239.33,2825.63) -278.7,2825.63 -278.7,2849.25 ccw(c-294.45,2849.25) -294.45,2865 -348.77,2865 -348.77,2727.2 cw(c-388.14,2727.2) -388.14,2687.83 -554.31,2687.83 -585,2687.83 -585,1954.57 -554.31,1954.57 -380.28,1954.57 cw(c-380.28,1907.32) -380.28,1860.08 -554.31,1860.08 -585,1860.08 -585,1252.8 -554.31,1252.8 -388.14,1252.8 cw(c-388.14,1213.43) -348.77,1213.43 -348.77,1075.63 -294.45,1075.63 ccw(c-294.45,1091.38) -278.7,1091.38 -278.7,1115 cw(c-239.33,1115) -239.33,1154.37 -0.75,1154.37 0,1154.37 0,0 5556.69,0 5556.69,3937.01 ; 0,2786.26 0,3937.01 5556.73,3937.01

## Dimensions
5433.07,216.54 to 5433.07,3720.47 on Mechanical 2
5433.07,216.54 to 5557.48,0 on Mechanical 2
5557.48,3939.88 to 5681,2635 on Mechanical 2
5572.48,0 to 5680,2610 on Mechanical 2
5572.48,0 to 5680,1330 on Mechanical 2
5572.48,0 to 5692.56,1170 on Mechanical 2
5572.48,0 to 5692.56,310 on Mechanical 2
-585,2687.83 to 5680,2610 on Mechanical 2
5556.73,3937.01 to 5556.69,0 on Mechanical 2
-585,2687.83 to 5557.48,3939.88 on Mechanical 2
0,3937.01 to 5556.73,3937.01 on Mechanical 2

## Text inside footprints (layer, text, board x,y; h text height)
C19: Top Overlay "+" at 199.68,469.29 h39.37 r90
C20: Top Overlay "+" at 4814.68,624.29 h39.37 r90
C71: Top Overlay "+" at 152.32,3285.71 h39.37 r270
Serial1: Mechanical 6 "SerialNr" at 5221.57,3403.07 h27.56 r180